# KiCad board plz actually have soldermask.kicad_pcb (continued)
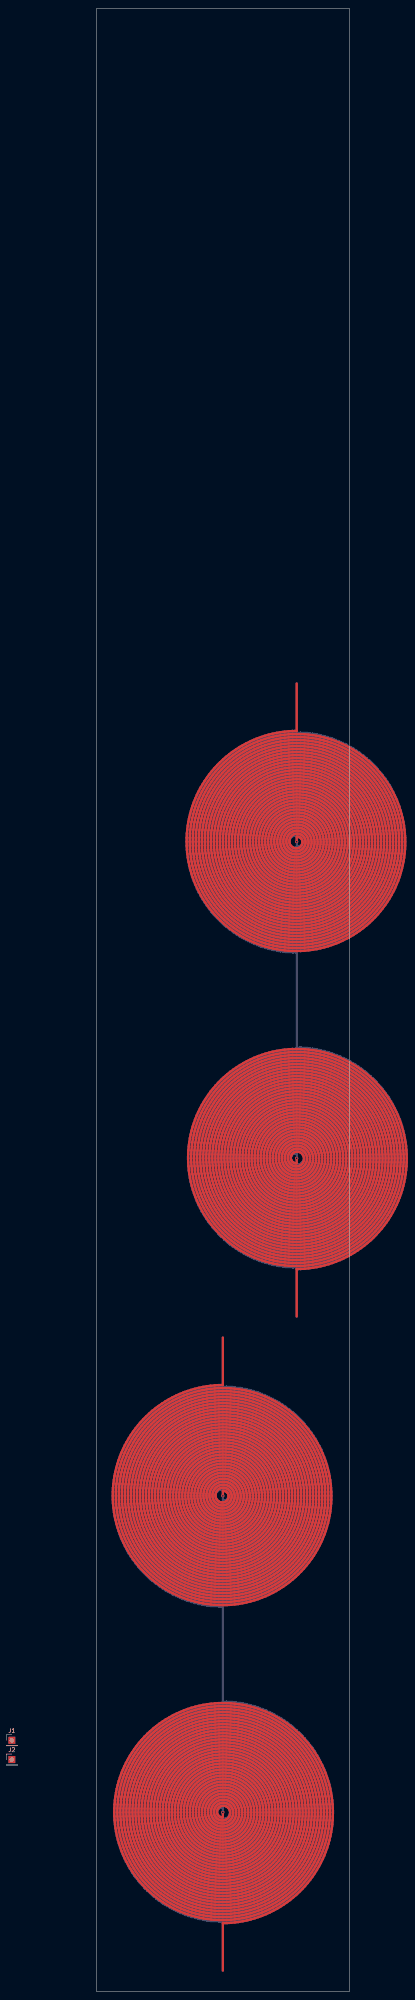
[diagram p0: board, top side]
## Routing (per net, layer and track width the routed paths; a pad name or vN(x,y) marks a point on that pad's centre or on a via; arc(x,y) is an arc through that point) (continued)
23.86,282.57 23.66,281.63 23.5,280.68 23.38,279.73 23.29,278.78 23.24,277.82 23.22,276.86 23.25,275.9 23.31,274.94 23.4,273.99 23.53,273.04 23.7,272.1 23.91,271.16 24.15,270.23 24.42,269.32 24.73,268.41 25.08,267.52 25.46,266.64 25.87,265.77 26.32,264.93 26.79,264.1 27.3,263.29 27.84,262.5 28.41,261.73 29.01,260.98 29.63,260.26 30.28,259.56 30.96,258.89 31.67,258.24 32.4,257.62 33.15,257.03 33.92,256.47 34.71,255.94 35.53,255.44 36.36,254.97 37.21,254.54 38.07,254.14 38.95,253.77 39.85,253.43 40.75,253.13 41.67,252.86 42.59,252.63 43.52,252.44 44.46,252.28 45.41,252.16 46.36,252.07 47.31,252.02 48.26,252.01 49.21,252.03 50.16,252.09 51.11,252.18 52.05,252.31 52.99,252.48 53.92,252.69 54.84,252.92 55.75,253.2 56.65,253.51 57.53,253.85 58.41,254.22 59.26,254.63 60.11,255.08 60.93,255.55 61.73,256.05 62.52,256.59 63.28,257.15 64.02,257.75 64.74,258.37 65.43,259.02 66.1,259.69 66.74,260.39 67.36,261.11 67.94,261.86 68.5,262.62 69.03,263.41 69.52,264.22 69.99,265.05 70.42,265.89 70.82,266.75 71.19,267.62 71.52,268.51 71.82,269.41 72.08,270.31 72.31,271.23 72.5,272.16 72.66,273.09 72.78,274.03 72.87,274.97 72.92,275.91 72.93,276.86 72.91,277.8 72.85,278.75 72.76,279.69 72.63,280.62 72.46,281.55 72.26,282.48 72.02,283.39 71.75,284.29 71.44,285.19 71.1,286.07 70.73,286.93 70.32,287.78 69.88,288.62 69.41,289.44 68.91,290.24 68.38,291.01 67.82,291.77 67.23,292.51 66.62,293.22 65.97,293.91 65.3,294.57 64.61,295.21 63.89,295.82 63.15,296.4 62.39,296.95 61.61,297.47 60.81,297.97 59.99,298.43 59.15,298.86 58.3,299.25 57.43,299.62 56.55,299.95 55.66,300.24 54.76,300.51 53.85,300.73 52.93,300.92 52,301.08 51.07,301.2 50.14,301.29 49.2,301.34 48.26,301.35 47.3,301.33 46.34,301.27 45.38,301.17 44.43,301.03 43.49,300.86 42.55,300.65 41.62,300.4 40.7,300.12 39.8,299.8 38.91,299.44 38.03,299.06 37.17,298.63 36.32,298.18 35.5,297.69 34.69,297.17 33.91,296.61 33.15,296.03 32.41,295.42 31.69,294.78 31.01,294.11 30.35,293.42 29.71,292.7 29.11,291.96 28.53,291.19 27.99,290.4 27.48,289.59 27,288.77 26.55,287.92 26.14,287.06 25.76,286.18 25.41,285.29 25.11,284.38 24.83,283.47 24.6,282.54 24.4,281.61 24.23,280.67 24.11,279.72 24.02,278.77 23.96,277.81 23.95,276.86 23.97,275.91 24.03,274.95 24.13,274 24.27,273.06 24.44,272.12 24.65,271.19 24.89,270.27 25.18,269.36 25.49,268.46 25.84,267.57 26.23,266.7 26.65,265.85 27.1,265.01 27.59,264.19 28.1,263.39 28.65,262.61 29.23,261.86 29.84,261.13 30.47,260.42 31.14,259.74 31.82,259.08 32.54,258.45 33.27,257.85 34.04,257.28 34.82,256.74 35.62,256.23 36.44,255.76 37.28,255.31 38.14,254.9 39.01,254.53 39.89,254.19 40.79,253.88 41.7,253.61 42.62,253.37 43.55,253.17 44.48,253.01 45.42,252.89 46.37,252.8 47.31,252.75 48.26,252.73 49.21,252.76 50.15,252.82 51.09,252.91 52.03,253.05 52.96,253.22 53.89,253.43 54.8,253.67 55.7,253.95 56.6,254.26 57.48,254.61 58.34,254.99 59.19,255.41 60.02,255.86 60.83,256.34 61.63,256.86 62.4,257.4 63.15,257.97 63.88,258.58 64.58,259.21 65.26,259.86 65.91,260.55 66.53,261.26 67.13,261.99 67.69,262.74 68.23,263.52 68.73,264.32 69.2,265.13 69.64,265.96 70.05,266.81 70.42,267.68 70.76,268.56 71.07,269.45 71.34,270.35 71.57,271.26 71.77,272.18 71.93,273.11 72.05,274.04 72.14,274.98 72.19,275.92 72.21,276.86 72.18,277.8 72.12,278.74 72.03,279.67 71.89,280.6 71.72,281.53 71.52,282.44 71.28,283.35 71,284.25 70.69,285.13 70.34,286.01 69.96,286.86 69.55,287.71 69.1,288.53 68.62,289.34 68.11,290.13 67.57,290.89 67,291.64 66.41,292.36 65.78,293.06 65.13,293.73 64.45,294.37 63.75,294.99 63.02,295.58 62.27,296.14 61.5,296.68 60.71,297.18 59.9,297.65 59.07,298.08 58.23,298.49 57.37,298.86 56.5,299.19 55.61,299.5 54.72,299.76 53.81,299.99 52.9,300.19 51.98,300.35 51.05,300.47 50.13,300.56 49.19,300.61 48.26,300.62 47.3,300.6 46.35,300.54 45.4,300.44 44.45,300.3 43.51,300.12 42.58,299.91 41.66,299.65 40.75,299.37 39.85,299.04 38.96,298.68 38.09,298.28 37.24,297.85 36.41,297.39 35.59,296.89 34.8,296.36 34.03,295.8 33.28,295.21 32.56,294.58 31.86,293.93 31.19,293.26 30.55,292.55 29.93,291.82 29.35,291.07 28.79,290.3 28.27,289.5 27.78,288.68 27.33,287.85 26.91,286.99 26.52,286.12 26.17,285.24 25.86,284.34 25.58,283.43 25.34,282.51 25.13,281.58 24.96,280.65 24.84,279.7 24.74,278.76 24.69,277.81 24.68,276.86 24.7,275.91 24.76,274.96 24.86,274.02 25,273.08 25.18,272.15 25.39,271.22 25.64,270.31 25.93,269.4 26.25,268.51 26.61,267.63 27,266.77 27.43,265.93 27.89,265.1 28.38,264.29 28.91,263.5 29.47,262.74 30.05,262 30.67,261.28 31.32,260.59 31.99,259.92 32.69,259.28 33.41,258.67 34.16,258.09 34.93,257.54 35.72,257.03 36.53,256.54 37.36,256.09 38.21,255.67 39.07,255.29 39.95,254.94 40.84,254.63 41.74,254.35 42.65,254.11 43.57,253.91 44.5,253.74 45.44,253.62 46.38,253.53 47.32,253.47 48.26,253.46 49.2,253.48 50.14,253.54 51.08,253.64 52.01,253.78 52.94,253.96 53.85,254.17 54.76,254.41 55.66,254.7 56.54,255.02 57.41,255.37 58.27,255.77 59.11,256.19 59.93,256.65 60.73,257.14 61.51,257.66 62.27,258.21 63.01,258.8 63.72,259.41 64.41,260.05 65.07,260.71 65.7,261.41 66.31,262.13 66.88,262.87 67.43,263.63 67.94,264.42 68.42,265.22 68.87,266.04 69.28,266.88 69.66,267.74 70.01,268.61 70.32,269.5 70.59,270.39 70.83,271.3 71.03,272.21 71.2,273.13 71.32,274.06 71.41,274.99 71.46,275.92 71.48,276.86 71.46,277.79 71.39,278.73 71.3,279.66 71.16,280.58 70.99,281.5 70.78,282.41 70.53,283.31 70.25,284.2 69.93,285.08 69.58,285.94 69.19,286.79 68.77,287.62 68.32,288.44 67.83,289.23 67.31,290.01 66.76,290.76 66.18,291.49 65.58,292.2 64.94,292.88 64.28,293.54 63.59,294.17 62.88,294.77 62.14,295.34 61.39,295.88 60.61,296.39 59.81,296.86 58.99,297.31 58.16,297.72 57.31,298.1 56.44,298.44 55.57,298.75 54.68,299.02 53.78,299.25 52.87,299.45 51.96,299.62 51.04,299.74 50.11,299.83 49.19,299.88 48.26,299.9 47.31,299.87 46.36,299.81 45.41,299.71 44.47,299.56 43.54,299.38 42.61,299.16 41.7,298.91 40.79,298.61 39.9,298.28 39.03,297.91 38.17,297.51 37.32,297.07 36.5,296.6 35.7,296.09 34.92,295.55 34.16,294.98 33.42,294.38 32.72,293.75 32.03,293.09 31.38,292.4 30.76,291.68 30.16,290.94 29.6,290.18 29.07,289.4 28.57,288.59 28.11,287.77 27.68,286.92 27.29,286.06 26.93,285.18 26.61,284.29 26.32,283.39 26.08,282.48 25.87,281.56 25.7,280.62 25.57,279.69 25.47,278.75 25.42,277.8 25.4,276.86 25.43,275.92 25.49,274.97 25.59,274.03 25.74,273.1 25.91,272.17 26.13,271.26 26.39,270.35 26.68,269.45 27.01,268.57 27.37,267.7 27.77,266.85 28.21,266.01 28.68,265.19 29.18,264.4 29.72,263.62 30.28,262.87 30.88,262.14 31.51,261.44 32.16,260.76 32.85,260.12 33.55,259.5 34.29,258.91 35.04,258.35 35.82,257.82 36.62,257.33 37.44,256.87 38.28,256.44 39.13,256.05 40,255.7 40.89,255.38 41.78,255.1 42.69,254.85 43.6,254.65 44.52,254.48 45.45,254.35 46.39,254.25 47.32,254.2 48.26,254.19 49.2,254.21 50.13,254.27 51.06,254.37 51.99,254.51 52.91,254.69 53.82,254.91 54.72,255.16 55.61,255.45 56.49,255.78 57.35,256.14 58.2,256.54 59.02,256.97 59.83,257.44 60.62,257.93 61.39,258.47 62.14,259.03 62.86,259.62 63.56,260.24 64.23,260.89 64.87,261.57 65.49,262.27 66.07,263 66.62,263.75 67.15,264.52 67.64,265.31 68.09,266.13 68.51,266.96 68.9,267.81 69.25,268.67 69.57,269.54 69.85,270.43 70.09,271.33 70.3,272.24 70.46,273.15 70.59,274.08 70.68,275 70.74,275.93 70.75,276.86 70.73,277.79 70.67,278.72 70.56,279.64 70.43,280.56 70.25,281.47 70.04,282.37 69.78,283.27 69.5,284.15 69.17,285.02 68.81,285.88 68.42,286.72 67.99,287.54 67.53,288.34 67.03,289.13 66.51,289.89 65.95,290.63 65.36,291.34 64.74,292.03 64.1,292.7 63.43,293.34 62.73,293.95 62.01,294.53 61.27,295.08 60.5,295.59 59.71,296.08 58.91,296.53 58.08,296.95 57.24,297.33 56.39,297.68 55.52,298 54.64,298.27 53.74,298.52 52.84,298.72 51.94,298.88 51.02,299.01 50.1,299.1 49.18,299.16 48.26,299.17 47.31,299.14 46.37,299.08 45.43,298.97 44.49,298.83 43.56,298.65 42.65,298.42 41.74,298.16 40.84,297.86 39.96,297.52 39.09,297.14 38.24,296.73 37.41,296.29 36.6,295.8 35.81,295.29 35.04,294.74 34.29,294.16 33.58,293.54 32.88,292.9 32.22,292.23 31.59,291.53 30.98,290.81 30.41,290.06 29.87,289.29 29.36,288.5 28.89,287.68 28.45,286.85 28.05,285.99 27.69,285.13 27.36,284.24 27.07,283.35 26.82,282.44 26.6,281.53 26.43,280.6 26.3,279.67 26.2,278.74 26.15,277.8 26.13,276.86 26.16,275.92 26.22,274.98 26.33,274.05 26.47,273.12 26.65,272.2 26.87,271.29 27.13,270.39 27.43,269.5 27.77,268.63 28.14,267.77 28.55,266.92 28.99,266.1 29.47,265.29 29.98,264.51 30.53,263.75 31.1,263.01 31.71,262.3 32.35,261.61 33.01,260.95 33.71,260.32 34.42,259.72 35.17,259.16 35.93,258.62 36.72,258.12 37.53,257.65 38.36,257.22 39.2,256.82 40.06,256.46 40.94,256.13 41.82,255.84 42.72,255.59 43.63,255.38 44.55,255.21 45.47,255.08 46.4,254.98 47.33,254.93 48.26,254.91 49.19,254.94 50.12,255 51.05,255.11 51.97,255.25 52.88,255.43 53.78,255.65 54.68,255.91 55.56,256.2 56.43,256.54 57.28,256.91 58.12,257.31 58.93,257.75 59.73,258.23 60.51,258.73 61.27,259.27 62,259.85 62.7,260.45 63.38,261.08 64.04,261.74 64.66,262.43 65.25,263.14 65.82,263.87 66.35,264.63 66.85,265.42 67.31,266.22 67.74,267.04 68.14,267.87 68.5,268.73 68.82,269.6 69.1,270.48 69.35,271.37 69.56,272.27 69.73,273.18 69.86,274.09 69.96,275.01 70.01,275.94 70.02,276.86 70,277.78 69.94,278.7 69.83,279.62 69.69,280.53 69.51,281.44 69.29,282.34 69.04,283.22 68.74,284.1 68.41,284.96 68.05,285.8 67.65,286.63 67.21,287.45 66.74,288.24 66.24,289.01 65.7,289.76 65.13,290.48 64.54,291.18 63.91,291.86 63.26,292.51 62.57,293.12 61.87,293.71 61.14,294.27 60.38,294.8 59.61,295.29 58.81,295.75 58,296.18 57.17,296.57 56.32,296.93 55.46,297.25 54.59,297.53 53.71,297.78 52.81,297.98 51.91,298.15 51,298.28 50.09,298.38 49.18,298.43 48.26,298.44 47.32,298.42 46.38,298.35 45.44,298.24 44.52,298.1 43.59,297.91 42.68,297.68 41.78,297.41 40.89,297.1 40.02,296.76 39.16,296.38 38.32,295.96 37.5,295.5 36.7,295.01 35.92,294.48 35.17,293.92 34.44,293.33 33.74,292.71 33.06,292.06 32.42,291.38 31.8,290.67 31.22,289.93 30.67,289.18 30.16,288.39 29.67,287.59 29.23,286.77 28.82,285.93 28.45,285.07 28.11,284.19 27.82,283.31 27.56,282.41 27.34,281.5 27.16,280.58 27.03,279.66 26.93,278.73 26.87,277.79 26.86,276.86 26.88,275.93 26.95,275 27.06,274.07 27.2,273.15 27.39,272.23 27.62,271.33 27.88,270.44 28.19,269.55 28.53,268.69 28.91,267.84 29.33,267 29.78,266.19 30.27,265.4 30.79,264.63 31.34,263.88 31.93,263.16 32.54,262.46 33.19,261.79 33.87,261.15 34.57,260.54 35.3,259.97 36.05,259.42 36.82,258.91 37.62,258.43 38.44,257.99 39.27,257.58 40.12,257.21 40.99,256.88 41.87,256.59 42.76,256.33 43.66,256.12 44.57,255.94 45.49,255.81 46.41,255.71 47.33,255.66 48.26,255.64 49.19,255.67 50.11,255.73 51.03,255.84 51.94,255.98 52.85,256.17 53.74,256.39 54.63,256.66 55.5,256.96 56.36,257.3 57.21,257.67 58.03,258.09 58.84,258.54 59.63,259.02 60.39,259.54 61.13,260.09 61.85,260.67 62.54,261.28 63.2,261.92 63.83,262.59 64.44,263.29 65.01,264.01 65.55,264.75 66.06,265.52 66.53,266.31 66.97,267.12 67.37,267.95 67.74,268.79 68.07,269.65 68.36,270.52 68.61,271.41 68.82,272.3 69,273.2 69.13,274.11 69.23,275.03 69.28,275.94 69.3,276.86 69.27,277.78 69.21,278.69 69.1,279.6 68.96,280.51 68.77,281.41 68.55,282.3 68.29,283.18 67.99,284.04 67.65,284.89 67.28,285.73 66.87,286.55 66.43,287.35 65.95,288.13 65.44,288.89 64.89,289.62 64.31,290.33 63.71,291.01 63.07,291.67 62.41,292.3 61.72,292.9 61,293.47 60.26,294 59.5,294.51 58.72,294.97 57.92,295.41 57.1,295.81 56.26,296.17 55.41,296.5 54.54,296.78 53.67,297.03 52.78,297.25 51.89,297.42 50.98,297.55 50.08,297.65 49.17,297.7 48.26,297.72 47.32,297.69 46.39,297.62 45.46,297.51 44.54,297.36 43.62,297.17 42.72,296.93 41.83,296.66 40.95,296.35 40.08,295.99 39.23,295.6 38.4,295.18 37.59,294.71 36.81,294.21 36.04,293.67 35.31,293.1 34.59,292.5 33.91,291.87 33.25,291.21 32.63,290.52 32.04,289.8 31.48,289.05 30.95,288.29 30.46,287.5 30,286.68 29.59,285.85 29.21,285 28.87,284.14 28.56,283.26 28.3,282.37 28.08,281.47 27.9,280.56 27.76,279.64 27.66,278.71 27.6,277.79 27.59,276.86 27.61,275.93 27.68,275.01 27.79,274.09 27.94,273.17 28.13,272.27 28.36,271.37 28.63,270.48 28.94,269.61 29.29,268.75 29.68,267.91 30.1,267.09 30.57,266.29 31.06,265.51 31.59,264.75 32.16,264.02 32.75,263.31 33.38,262.63 34.04,261.98 34.72,261.37 35.43,260.78 36.17,260.22 36.93,259.7 37.72,259.21 38.52,258.76 39.35,258.35 40.19,257.97 41.04,257.64 41.92,257.34 42.8,257.08 43.69,256.86 44.6,256.68 45.51,256.54 46.42,256.44 47.34,256.38 48.26,256.37 49.18,256.39 50.1,256.46 51.01,256.57 51.92,256.72 52.81,256.91 53.7,257.14 54.58,257.41 55.45,257.71 56.3,258.06 57.13,258.44 57.94,258.86 58.74,259.32 59.51,259.81 60.26,260.34 60.99,260.9 61.69,261.49 62.36,262.11 63,262.76 63.62,263.44 64.2,264.15 64.75,264.88 65.27,265.63 65.75,266.41 66.2,267.21 66.61,268.02 66.98,268.86 67.31,269.71 67.61,270.57 67.87,271.45 68.09,272.33 68.26,273.23 68.4,274.13 68.5,275.04 68.56,275.95 68.57,276.86 68.55,277.77 68.48,278.68 68.37,279.58 68.22,280.48 68.04,281.37 67.81,282.26 67.54,283.13 67.24,283.98 66.89,284.82 66.51,285.65 66.1,286.46 65.64,287.25 65.15,288.01 64.63,288.76 64.08,289.47 63.49,290.17 62.88,290.83 62.23,291.47 61.56,292.08 60.86,292.66 60.13,293.2 59.39,293.72 58.62,294.19 57.83,294.64 57.02,295.04 56.19,295.41 55.35,295.74 54.49,296.04 53.62,296.29 52.74,296.51 51.86,296.69 50.96,296.82 50.07,296.92 49.16,296.97 48.26,296.99 47.33,296.96 46.4,296.89 45.48,296.78 44.57,296.63 43.66,296.43 42.76,296.19 41.88,295.91 41,295.59 40.15,295.23 39.31,294.83 38.49,294.39 37.7,293.92 36.92,293.41 36.17,292.86 35.45,292.28 34.76,291.67 34.09,291.03 33.46,290.36 32.85,289.65 32.28,288.93 31.75,288.17 31.25,287.39 30.78,286.6 30.36,285.78 29.97,284.94 29.62,284.08 29.31,283.21 29.04,282.33 28.82,281.43 28.63,280.53 28.49,279.62 28.39,278.7 28.33,277.78 28.31,276.86 28.34,275.94 28.41,275.02 28.52,274.11 28.67,273.2 28.87,272.3 29.11,271.41 29.38,270.53 29.7,269.67 30.06,268.82 30.45,267.99 30.89,267.18 31.36,266.39 31.86,265.63 32.4,264.88 32.98,264.17 33.58,263.48 34.22,262.82 34.89,262.19 35.58,261.59 36.3,261.03 37.05,260.5 37.82,260 38.61,259.54 39.43,259.12 40.26,258.73 41.1,258.39 41.97,258.08 42.84,257.82 43.73,257.59 44.62,257.41 45.53,257.27 46.44,257.17 47.35,257.11 48.26,257.09 49.17,257.12 50.08,257.19 50.99,257.3 51.89,257.45 52.78,257.65 53.66,257.88 54.53,258.15 55.38,258.47 56.22,258.82 57.05,259.21 57.85,259.64 58.63,260.11 59.39,260.61 60.13,261.15 60.84,261.72 61.52,262.32 62.17,262.95 62.8,263.61 63.39,264.3 63.95,265.01 64.47,265.75 64.96,266.52 65.42,267.3 65.84,268.11 66.22,268.93 66.56,269.77 66.86,270.62 67.13,271.49 67.35,272.37 67.53,273.26 67.67,274.15 67.77,275.05 67.83,275.96 67.84,276.86 67.82,277.76 67.75,278.67 67.64,279.56 67.49,280.45 67.3,281.34 67.07,282.21 66.79,283.07 66.48,283.92 66.13,284.75 65.74,285.57 65.32,286.36 64.86,287.14 64.36,287.89 63.83,288.62 63.26,289.32 62.67,290 62.04,290.64 61.39,291.26 60.71,291.85 60,292.4 59.26,292.92 58.51,293.41 57.73,293.86 56.93,294.28 56.12,294.65 55.28,294.99 54.44,295.29 53.58,295.55 52.71,295.77 51.83,295.95 50.94,296.09 50.05,296.19 49.16,296.25 48.26,296.26 47.34,296.23 46.42,296.16 45.5,296.05 44.59,295.89 43.69,295.69 42.8,295.44 41.93,295.16 41.07,294.83 40.22,294.46 39.39,294.06 38.59,293.61 37.81,293.13 37.05,292.61 36.31,292.05 35.61,291.46 34.93,290.84 34.29,290.18 33.67,289.5 33.09,288.79 32.55,288.05 32.04,287.29 31.56,286.5 31.13,285.69 30.73,284.86 30.38,284.02 30.06,283.16 29.79,282.28 29.55,281.4 29.37,280.5 29.22,279.6 29.12,278.69 29.06,277.77 29.04,276.86 29.07,275.95 29.14,275.03 29.25,274.13 29.41,273.23 29.61,272.34 29.85,271.45 30.13,270.59 30.46,269.73 30.82,268.9 31.23,268.08 31.67,267.28 32.15,266.5 32.66,265.75 33.21,265.03 33.8,264.33 34.41,263.66 35.06,263.02 35.74,262.41 36.44,261.83 37.18,261.29 37.93,260.79 38.71,260.32 39.51,259.89 40.33,259.5 41.17,259.14 42.02,258.83 42.89,258.56 43.77,258.33 44.65,258.14 45.55,258 46.45,257.9 47.35,257.84 48.26,257.82 49.17,257.85 50.07,257.92 50.97,258.03 51.86,258.19 52.74,258.38 53.61,258.62 54.47,258.91 55.32,259.23 56.15,259.59 56.96,259.99 57.75,260.42 58.52,260.9 59.26,261.41 59.98,261.96 60.67,262.53 61.34,263.14 61.97,263.79 62.57,264.46 63.14,265.16 63.68,265.88 64.18,266.63 64.64,267.4 65.07,268.19 65.46,269.01 65.81,269.84 66.12,270.68 66.38,271.54 66.61,272.41 66.8,273.29 66.94,274.17 67.04,275.07 67.1,275.96 67.12,276.86 67.09,277.76 67.02,278.65 66.91,279.54 66.75,280.42 66.56,281.3 66.32,282.16 66.04,283.01 65.73,283.85 65.37,284.67 64.97,285.48 64.54,286.26 64.07,287.02 63.56,287.76 63.02,288.47 62.45,289.15 61.84,289.81 61.21,290.44 60.54,291.04 59.85,291.6 59.13,292.13 58.39,292.63 57.63,293.09 56.84,293.51 56.04,293.89 55.22,294.24 54.38,294.54 53.53,294.81 52.67,295.04 51.8,295.22 50.92,295.36 50.04,295.46 49.15,295.52 48.26,295.53 47.34,295.51 46.43,295.43 45.52,295.32 44.62,295.15 43.73,294.95 42.85,294.7 41.98,294.41 41.13,294.07 40.3,293.7 39.48,293.28 38.69,292.82 37.92,292.33 37.18,291.8 36.46,291.23 35.78,290.63 35.12,290 34.49,289.34 33.9,288.64 33.35,287.92 32.83,287.17 32.34,286.4 31.9,285.6 31.5,284.79 31.13,283.95 30.81,283.1 30.53,282.24 30.29,281.36 30.1,280.47 29.95,279.58 29.84,278.67 29.78,277.77 29.77,276.86 29.79,275.95 29.87,275.05 29.98,274.15 30.14,273.26 30.35,272.37 30.6,271.5 30.89,270.64 31.22,269.8 31.59,268.97 32,268.17 32.45,267.38 32.94,266.62 33.47,265.89 34.03,265.18 34.62,264.5 35.25,263.85 35.91,263.23 36.59,262.64 37.31,262.09 38.05,261.58 38.81,261.1 39.6,260.66 40.41,260.26 41.24,259.9 42.08,259.58 42.93,259.3 43.8,259.07 44.68,258.88 45.57,258.73 46.46,258.63 47.36,258.56 48.26,258.55 49.16,258.58 50.05,258.65 50.94,258.76 51.83,258.92 52.7,259.12 53.57,259.37 54.42,259.66 55.25,259.98 56.07,260.35 56.87,260.76 57.64,261.21 58.4,261.69 59.12,262.21 59.83,262.77 60.5,263.36 61.14,263.98 61.76,264.63 62.34,265.31 62.88,266.02 63.39,266.75 63.86,267.51 64.3,268.29 64.7,269.09 65.05,269.9 65.37,270.74 65.64,271.59 65.87,272.45 66.06,273.32 66.21,274.2 66.31,275.08 66.37,275.97 66.39,276.86 66.36,277.75 66.29,278.64 66.18,279.52 66.02,280.39 65.82,281.26 65.58,282.11 65.29,282.95 64.97,283.78 64.6,284.59 64.2,285.38 63.76,286.15 63.28,286.89 62.76,287.62 62.21,288.31 61.63,288.98 61.02,289.62 60.37,290.22 59.7,290.8 59,291.34 58.27,291.84 57.52,292.31 56.75,292.74 55.96,293.13 55.15,293.48 54.32,293.8 53.48,294.07 52.63,294.3 51.77,294.49 50.9,294.63 50.02,294.73 49.14,294.79 48.26,294.81 47.35,294.78 46.45,294.7 45.54,294.58 44.65,294.42 43.77,294.21 42.9,293.95 42.04,293.65 41.2,293.31 40.38,292.93 39.58,292.5 38.8,292.04 38.05,291.53 37.32,290.99 36.62,290.42 35.96,289.8 35.32,289.16 34.72,288.49 34.15,287.78 33.62,287.05 33.13,286.29 32.67,285.51 32.26,284.71 31.89,283.88 31.56,283.04 31.27,282.19 31.03,281.32 30.83,280.44 30.68,279.55 30.57,278.66 30.51,277.76 30.49,276.86 30.52,275.96 30.6,275.06 30.72,274.17 30.88,273.29 31.09,272.41 31.34,271.55 31.64,270.7 31.98,269.87 32.36,269.06 32.78,268.27 33.24,267.5 33.74,266.75 34.27,266.03 34.84,265.34 35.45,264.68 36.08,264.05 36.75,263.46 37.45,262.89 38.17,262.37 38.92,261.88 39.7,261.43 40.49,261.03 41.31,260.66 42.14,260.33 42.99,260.05 43.85,259.81 44.72,259.61 45.59,259.46 46.48,259.35 47.37,259.29 48.26,259.28 49.15,259.3 50.04,259.38 50.92,259.5 51.8,259.66 52.66,259.87 53.51,260.12 54.35,260.41 55.18,260.74 55.98,261.12 56.77,261.54 57.53,261.99 58.27,262.49 58.98,263.01 59.66,263.58 60.31,264.18 60.94,264.81 61.53,265.47 62.08,266.16 62.6,266.88 63.08,267.62 63.53,268.39 63.93,269.17 64.3,269.98 64.62,270.8 64.9,271.64 65.14,272.49 65.33,273.35 65.48,274.22 65.59,275.1 65.65,275.98 65.66,276.86 65.63,277.74 65.56,278.62 65.44,279.49 65.28,280.36 65.08,281.21 64.83,282.06 64.54,282.89 64.21,283.7 63.84,284.5 63.42,285.28 62.97,286.03 62.49,286.76 61.96,287.47 61.4,288.14 60.81,288.79 60.19,289.41 59.53,289.99 58.85,290.54 58.14,291.05 57.4,291.53 56.65,291.97 55.87,292.37 55.07,292.73 54.26,293.05 53.43,293.32 52.58,293.56 51.73,293.75 50.87,293.9 50,294 49.13,294.06 48.26,294.08 47.36,294.05 46.46,293.97 45.57,293.85 44.68,293.68 43.81,293.46 42.95,293.2 42.1,292.9 41.28,292.55 40.47,292.16 39.68,291.72 38.92,291.25 38.18,290.73 37.47,290.18 36.79,289.59 36.15,288.97 35.53,288.32 34.96,287.63 34.42,286.92 33.91,286.18 33.45,285.41 33.03,284.62 32.65,283.81 32.31,282.98 32.02,282.14 31.77,281.28 31.57,280.41 31.41,279.53 31.3,278.64 31.24,277.75 31.22,276.86 31.25,275.97 31.33,275.08 31.45,274.2 31.62,273.32 31.83,272.46 32.09,271.61 32.39,270.77 32.74,269.95 33.13,269.15 33.56,268.37 34.03,267.62 34.53,266.89 35.08,266.19 35.66,265.52 36.28,264.88 36.92,264.27 37.6,263.7 38.31,263.16 39.04,262.67 39.8,262.21 40.58,261.79 41.38,261.42 42.2,261.08 43.04,260.79 43.89,260.55 44.75,260.35 45.62,260.19 46.5,260.08 47.38,260.02 48.26,260 49.14,260.03 50.02,260.11 50.89,260.23 51.76,260.39 52.62,260.61 53.46,260.86 54.29,261.16 55.1,261.5 55.89,261.89 56.66,262.31 57.4,262.78 58.13,263.28 58.82,263.82 59.48,264.4 60.12,265 60.72,265.64 61.28,266.32 61.81,267.02 62.3,267.74 62.75,268.49 63.17,269.26 63.54,270.06 63.87,270.87 64.15,271.7 64.4,272.54 64.6,273.39 64.75,274.25 64.86,275.12 64.92,275.99 64.94,276.86 64.91,277.73 64.83,278.6 64.71,279.47 64.55,280.32 64.34,281.17 64.09,282 63.79,282.82 63.45,283.62 63.07,284.41 62.65,285.17 62.19,285.91 61.69,286.62 61.16,287.3 60.59,287.96 59.99,288.59 59.35,289.18 58.69,289.74 58,290.26 57.28,290.75 56.54,291.2 55.77,291.6 54.99,291.97 54.19,292.3 53.37,292.58 52.54,292.82 51.69,293.02 50.84,293.17 49.99,293.28 49.12,293.34 48.26,293.35 47.37,293.32 46.48,293.24 45.59,293.12 44.72,292.94 43.86,292.72 43.01,292.45 42.17,292.14 41.36,291.78 40.56,291.38 39.79,290.94 39.04,290.45 38.32,289.93 37.63,289.37 36.98,288.77 36.35,288.14 35.77,287.47 35.21,286.78 34.7,286.05 34.23,285.3 33.8,284.53 33.41,283.73 33.07,282.91 32.77,282.08 32.51,281.23 32.3,280.37 32.14,279.5 32.03,278.63 31.97,277.74 31.95,276.86 31.98,275.98 32.06,275.1 32.18,274.22 32.35,273.36 32.57,272.5 32.84,271.66 33.15,270.84 33.5,270.03 33.9,269.25 34.34,268.48 34.82,267.74 35.33,267.03 35.89,266.35 36.48,265.7 37.11,265.09 37.76,264.5 38.45,263.96 39.17,263.45 39.91,262.98 40.68,262.56 41.47,262.17 42.27,261.83 43.1,261.54 43.94,261.29 44.79,261.08 45.65,260.92 46.51,260.81 47.39,260.75 48.26,260.73 49.13,260.76 50,260.84 50.87,260.96 51.72,261.13 52.57,261.35 53.4,261.61 54.21,261.92 55.01,262.27 55.79,262.66 56.54,263.09 57.27,263.57 57.98,264.08 58.65,264.63 59.29,265.21 59.9,265.83 60.48,266.48 61.02,267.16 61.52,267.87 61.98,268.61 62.4,269.36 62.78,270.14 63.12,270.94 63.41,271.76 63.66,272.58 63.86,273.43 64.02,274.28 64.13,275.13 64.19,276 64.21,276.86 64.18,277.72 64.1,278.58 63.98,279.44 63.81,280.28 63.6,281.12 63.34,281.94 63.04,282.75 62.69,283.54 62.3,284.3 61.87,285.05 61.4,285.77 60.9,286.47 60.35,287.13 59.78,287.77 59.16,288.37 58.52,288.94 57.85,289.47 57.15,289.97 56.42,290.42 55.67,290.84 54.9,291.22 54.11,291.55 53.31,291.84 52.49,292.08 51.65,292.28 50.81,292.44 49.97,292.55 49.11,292.61 48.26,292.63 47.38,292.6 46.5,292.51 45.62,292.39 44.76,292.21 43.9,291.98 43.07,291.71 42.24,291.38 41.44,291.02 40.66,290.61 39.91,290.16 39.18,289.66 38.48,289.13 37.81,288.55 37.18,287.94 36.58,287.3 36.01,286.63 35.49,285.92 35.01,285.19 34.57,284.43 34.17,283.64 33.82,282.84 33.51,282.02 33.25,281.18 33.04,280.33 32.88,279.47 32.76,278.61 32.69,277.73 32.67,276.86 32.71,275.99 32.79,275.12 32.91,274.25 33.09,273.4 33.32,272.55 33.59,271.73 33.9,270.91 34.26,270.12 34.67,269.35 35.12,268.6 35.61,267.88 36.14,267.19 36.7,266.53 37.3,265.9 37.94,265.31 38.61,264.76 39.31,264.24 40.03,263.76 40.78,263.33 41.55,262.94 42.35,262.59 43.16,262.28 43.99,262.03 44.83,261.82 45.68,261.65 46.53,261.54 47.4,261.47 48.26,261.46 49.12,261.49 49.98,261.57 50.84,261.69 51.68,261.87 52.52,262.09 53.33,262.36 54.14,262.67 54.92,263.03 55.68,263.43 56.42,263.87 57.13,264.36 57.82,264.88 58.47,265.44 59.09,266.03 59.67,266.66 60.22,267.32 60.73,268.01 61.2,268.73 61.63,269.47 62.02,270.23 62.37,271.02 62.66,271.82 62.92,272.64 63.13,273.47 63.29,274.31 63.4,275.15 63.46,276.01 63.48,276.86 63.45,277.71 63.37,278.56 63.25,279.41 63.07,280.24 62.86,281.06 62.59,281.87 62.28,282.67 61.93,283.44 61.53,284.19 61.09,284.92 60.62,285.63 60.1,286.3 59.55,286.95 58.96,287.56 58.34,288.14 57.69,288.68 57,289.18 56.3,289.65 55.56,290.07 54.81,290.46 54.03,290.8 53.24,291.09 52.43,291.34 51.61,291.55 50.78,291.71 49.95,291.82 49.1,291.88 48.26,291.9 47.39,291.87 46.52,291.78 45.65,291.65 44.8,291.47 43.96,291.24 43.13,290.96 42.32,290.63 41.53,290.25 40.77,289.83 40.03,289.37 39.32,288.86 38.64,288.32 38,287.74 37.39,287.12 36.82,286.46 36.28,285.78 35.79,285.06 35.34,284.32 34.93,283.55 34.57,282.76 34.26,281.96 33.99,281.13 33.78,280.29 33.61,279.44 33.49,278.59 33.42,277.72 33.4,276.86 33.43,276 33.52,275.14 33.65,274.28 33.83,273.44 34.06,272.61 34.34,271.79 34.66,270.99 35.03,270.22 35.44,269.46 35.9,268.73 36.4,268.03 36.94,267.36 37.52,266.72 38.13,266.12 38.77,265.56 39.45,265.03 40.16,264.54 40.89,264.1 41.65,263.7 42.43,263.34 43.23,263.03 44.04,262.77 44.87,262.55 45.71,262.39 46.55,262.27 47.41,262.2 48.26,262.18 49.11,262.22 49.96,262.3 50.81,262.43 51.64,262.61 52.46,262.83 53.27,263.11 54.05,263.43 54.82,263.79 55.57,264.2 56.29,264.65 56.98,265.15 57.64,265.68 58.27,266.25 58.87,266.85 59.43,267.49 59.95,268.16 60.43,268.86 60.87,269.58 61.26,270.33 61.61,271.1 61.92,271.89 62.18,272.69 62.39,273.51 62.55,274.34 62.67,275.18 62.74,276.02 62.75,276.86 62.72,277.7 62.64,278.54 62.51,279.37 62.34,280.2 62.11,281.01 61.84,281.8 61.53,282.58 61.16,283.34 60.76,284.08 60.31,284.79 59.83,285.47 59.3,286.13 58.74,286.75 58.14,287.33 57.51,287.89 56.85,288.4 56.16,288.87 55.45,289.31 54.71,289.7 53.95,290.05 53.17,290.35 52.37,290.6 51.57,290.81 50.75,290.98 49.92,291.09 49.09,291.16 48.26,291.17 47.4,291.14 46.54,291.05 45.68,290.92 44.84,290.73 44.01,290.49 43.2,290.2 42.41,289.87 41.63,289.48 40.89,289.05 40.17,288.58 39.48,288.07 38.82,287.51 38.2,286.92 37.62,286.29 37.08,285.62 36.57,284.93 36.11,284.2 35.7,283.45 35.33,282.68 35.01,281.89 34.74,281.07 34.51,280.25 34.34,279.41 34.22,278.57 34.15,277.71 34.13,276.86 34.16,276.01 34.25,275.16 34.38,274.32 34.57,273.48 34.8,272.67 35.09,271.86 35.42,271.08 35.8,270.32 36.22,269.58 36.69,268.87 37.2,268.19 37.75,267.54 38.33,266.93 38.95,266.36 39.61,265.82 40.3,265.32 41.01,264.87 41.75,264.46 42.51,264.09 43.3,263.78 44.1,263.51 44.91,263.29 45.74,263.12 46.58,263 47.42,262.93 48.26,262.91 49.1,262.94 49.94,263.03 50.77,263.16 51.59,263.34 52.4,263.58 53.19,263.86 53.96,264.18 54.72,264.56 55.44,264.98 56.14,265.44 56.82,265.94 57.45,266.48 58.06,267.06 58.63,267.67 59.16,268.32 59.65,269 60.1,269.7 60.5,270.44 60.86,271.19 61.17,271.96 61.44,272.75 61.65,273.56 61.82,274.37 61.94,275.2 62.01,276.03 62.03,276.86 62,277.69 61.91,278.52 61.78,279.34 61.6,280.15 61.37,280.95 61.09,281.73 60.77,282.49 60.4,283.23 59.99,283.95 59.53,284.64 59.04,285.3 58.5,285.93 57.93,286.53 57.32,287.09 56.69,287.62 56.02,288.1 55.32,288.54 54.6,288.94 53.86,289.29 53.09,289.6 52.31,289.86 51.52,290.08 50.71,290.24 49.9,290.36 49.08,290.43 48.26,290.45 47.41,290.41 46.56,290.32 45.72,290.18 44.89,289.99 44.07,289.75 43.27,289.45 42.5,289.11 41.74,288.71 41.02,288.28 40.32,287.79 39.65,287.27 39.02,286.7 38.43,286.1 37.87,285.46 37.36,284.78 36.89,284.08 36.46,283.35 36.09,282.59 35.76,281.81 35.48,281.01 35.25,280.2 35.07,279.38 34.95,278.54 34.87,277.7 34.86,276.86 34.89,276.02 34.98,275.18 35.11,274.35 35.31,273.53 35.55,272.73 35.84,271.94 36.18,271.17 36.56,270.43 37,269.71 37.47,269.02 37.99,268.37 38.55,267.74 39.15,267.16 39.78,266.61 40.45,266.1 41.14,265.64 41.86,265.22 42.61,264.85 43.38,264.53 44.16,264.25 44.96,264.02 45.78,263.85 46.6,263.73 47.43,263.66 48.26,263.64 49.09,263.67 49.92,263.76 50.73,263.89 51.54,264.08 52.33,264.32 53.11,264.61 53.87,264.94 54.6,265.32 55.31,265.75 55.99,266.22 56.64,266.73 57.25,267.28 57.83,267.87 58.37,268.5 58.87,269.15 59.33,269.84 59.74,270.55 60.11,271.29 60.43,272.04 60.7,272.82 60.92,273.61 61.09,274.41 61.21,275.22 61.28,276.04 61.3,276.86 61.27,277.68 61.18,278.49 61.05,279.3 60.86,280.1 60.63,280.88 60.34,281.64 60.01,282.39 59.64,283.11 59.22,283.81 58.75,284.48 58.25,285.12 57.7,285.73 57.12,286.3 56.51,286.83 55.86,287.32 55.19,287.77 54.48,288.18 53.76,288.54 53.01,288.86 52.24,289.12 51.47,289.34 50.67,289.51 49.87,289.63 49.07,289.7 48.26,289.72 47.42,289.68 46.58,289.59 45.76,289.45 44.94,289.25 44.14,289 43.36,288.7 42.6,288.35 41.86,287.94 41.15,287.5 40.48,287 39.84,286.47 39.23,285.89 38.67,285.27 38.14,284.62 37.66,283.94 37.23,283.23 36.84,282.49 36.51,281.73 36.22,280.95 35.99,280.15 35.8,279.34 35.68,278.52 35.6,277.69 35.58,276.86 35.62,276.03 35.71,275.21 35.85,274.39 36.04,273.59 36.29,272.8 36.59,272.03 36.94,271.28 37.33,270.55 37.78,269.85 38.26,269.19 38.79,268.56 39.36,267.96 39.97,267.4 40.61,266.89 41.28,266.41 41.98,265.99 42.71,265.61 43.46,265.27 44.23,264.99 45.02,264.76 45.82,264.58 46.63,264.46 47.44,264.38 48.26,264.36 49.08,264.4 49.89,264.49 50.69,264.63 51.49,264.82 52.26,265.06 53.02,265.36 53.76,265.7 54.48,266.09 55.16,266.53 55.82,267.01 56.44,267.53 57.03,268.09 57.58,268.69 58.09,269.32 58.56,269.98 58.98,270.67 59.35,271.39 59.68,272.13 59.96,272.89 60.18,273.67 60.36,274.45 60.48,275.25 60.55,276.05 60.57,276.86 60.54,277.66 60.45,278.47 60.31,279.26 60.12,280.04 59.88,280.81 59.59,281.55 59.26,282.28 58.87,282.99 58.44,283.66 57.97,284.31 57.46,284.92 56.9,285.5 56.31,286.04 55.69,286.55 55.04,287 54.36,287.42 53.65,287.79 52.92,288.11 52.17,288.38 51.41,288.61 50.63,288.78 49.85,288.9 49.05,288.97 48.26,288.99 47.43,288.96 46.61,288.86 45.8,288.72 45,288.51 44.21,288.25 43.45,287.94 42.7,287.58 41.99,287.17 41.3,286.71 40.65,286.21 40.04,285.66 39.46,285.08 38.93,284.45 38.44,283.79 38,283.1 37.6,282.38 37.26,281.64 36.96,280.88 36.72,280.09 36.54,279.3 36.41,278.49 36.33,277.68 36.31,276.86 36.35,276.05 36.44,275.23 36.58,274.43 36.78,273.64 37.04,272.87 37.34,272.12 37.7,271.39 38.1,270.68 38.56,270.01 39.05,269.37 39.59,268.76 40.17,268.2 40.78,267.67 41.43,267.19 42.11,266.75 42.82,266.36 43.55,266.02 44.31,265.73 45.08,265.5 45.86,265.31 46.66,265.19 47.46,265.11 48.26,265.09 49.06,265.13 49.86,265.22 50.65,265.36 51.43,265.56 52.19,265.81 52.93,266.11 53.65,266.46 54.34,266.86 55.01,267.3 55.64,267.79 56.23,268.32 56.79,268.89 57.31,269.5 57.78,270.14 58.21,270.81 58.6,271.5 58.93,272.22 59.21,272.97 59.45,273.73 59.63,274.5 59.75,275.28 59.83,276.07 59.85,276.86 59.81,277.65 59.72,278.44 59.58,279.21 59.39,279.98 59.14,280.73 58.84,281.46 58.5,282.17 58.11,282.85 57.67,283.5 57.19,284.12 56.66,284.71 56.1,285.26 55.51,285.77 54.88,286.24 54.22,286.66 53.53,287.04 52.82,287.36 52.09,287.64 51.35,287.87 50.59,288.05 49.82,288.17 49.04,288.25 48.26,288.26 47.45,288.23 46.64,288.13 45.84,287.98 45.06,287.77 44.29,287.51 43.54,287.19 42.82,286.82 42.13,286.4 41.47,285.93 40.85,285.42 40.26,284.86 39.72,284.26 39.22,283.63 38.76,282.96 38.36,282.27 38.01,281.54 37.71,280.8 37.46,280.03 37.27,279.25 37.13,278.46 37.06,277.66 37.04,276.86 37.07,276.06 37.17,275.27 37.32,274.48 37.52,273.71 37.78,272.95 38.1,272.22 38.46,271.51 38.87,270.83 39.33,270.18 39.84,269.56 40.39,268.99 40.98,268.45 41.6,267.96 42.25,267.52 42.94,267.12 43.65,266.77 44.39,266.48 45.14,266.23 45.91,266.05 46.69,265.91 47.47,265.84 48.26,265.82 49.05,265.85 49.83,265.95 50.6,266.1 51.36,266.3 52.1,266.55 52.83,266.86 53.52,267.22 54.19,267.63 54.83,268.08 55.44,268.58 56,269.12 56.53,269.69 57.01,270.31 57.45,270.95 57.84,271.63 58.18,272.33 58.47,273.05 58.71,273.79 58.9,274.55 59.03,275.31 59.1,276.08 59.12,276.86 59.08,277.63 58.99,278.4 58.85,279.16 58.65,279.91 58.4,280.64 58.09,281.35 57.74,282.04 57.34,282.7 56.89,283.32 56.4,283.92 55.87,284.47 55.31,284.99 54.7,285.47 54.07,285.9 53.41,286.28 52.72,286.62 52.01,286.9 51.28,287.14 50.54,287.32 49.78,287.45 49.02,287.52 48.26,287.54 47.46,287.5 46.67,287.4 45.89,287.24 45.12,287.03 44.37,286.76 43.65,286.43 42.95,286.05 42.28,285.63 41.65,285.15 41.06,284.62 40.5,284.06 39.99,283.45 39.53,282.81 39.12,282.14 38.76,281.44 38.45,280.71 38.2,279.96 38,279.2 37.86,278.43 37.78,277.65 37.76,276.86 37.8,276.08 37.9,275.3 38.05,274.53 38.26,273.78 38.53,273.04 38.85,272.33 39.22,271.64 39.64,270.99 40.11,270.36 40.63,269.78 41.19,269.24 41.78,268.73 42.41,268.28 43.07,267.87 43.76,267.52 44.48,267.22 45.21,266.97 45.96,266.78 46.72,266.64 47.49,266.57 48.26,266.55 49.03,266.58 49.79,266.68 50.55,266.83 51.29,267.04 52.01,267.3 52.71,267.61 53.39,267.98 54.03,268.39 54.64,268.86 55.22,269.36 55.75,269.91 56.24,270.49 56.69,271.11 57.09,271.76 57.44,272.44 57.73,273.14 57.98,273.86 58.16,274.6 58.3,275.35 58.37,276.1 58.39,276.86 58.36,277.62 58.26,278.37 58.11,279.11 57.91,279.84 57.65,280.55 57.34,281.23 56.98,281.9 56.57,282.53 56.12,283.13 55.62,283.69 55.09,284.22 54.51,284.7 53.9,285.14 53.27,285.53 52.6,285.87 51.91,286.16 51.2,286.4 50.48,286.59 49.75,286.72 49,286.79 48.26,286.81 47.48,286.77 46.71,286.67 45.94,286.51 45.2,286.29 44.47,286.01 43.77,285.68 43.09,285.29 42.45,284.85 41.85,284.36 41.29,283.83 40.77,283.26 40.3,282.64 39.88,282 39.51,281.32 39.19,280.62 38.93,279.89 38.73,279.15 38.59,278.39 38.51,277.63 38.49,276.86 38.53,276.09 38.63,275.33 38.79,274.59 39,273.85 39.28,273.14 39.6,272.45 39.98,271.79 40.42,271.16 40.89,270.57 41.42,270.02 41.98,269.51 42.58,269.04 43.22,268.63 43.88,268.27 44.57,267.96 45.29,267.71 46.02,267.51 46.76,267.37 47.51,267.29 48.26,267.27 49.01,267.31 49.76,267.41 50.49,267.56 51.21,267.78 51.91,268.04 52.59,268.37 53.24,268.74 53.85,269.16 54.43,269.63 54.98,270.14 55.47,270.7 55.93,271.29 56.33,271.91 56.69,272.57 56.99,273.24 57.24,273.94 57.43,274.66 57.57,275.39 57.65,276.12 57.67,276.86 57.63,277.6 57.53,278.33 57.38,279.05 57.17,279.76 56.91,280.44 56.59,281.11 56.23,281.74 55.81,282.35 55.35,282.92 54.85,283.45 54.3,283.94 53.72,284.38 53.11,284.78 52.47,285.13 51.81,285.42 51.12,285.67 50.42,285.86 49.71,285.99 48.98,286.06 48.26,286.08 47.5,286.04 46.74,285.94 46,285.77 45.28,285.55 44.57,285.26 43.9,284.92 43.25,284.53 42.64,284.08 42.07,283.58 41.54,283.04 41.06,282.46 40.63,281.84 40.26,281.19 39.94,280.51 39.67,279.81 39.47,279.09 39.32,278.35 39.24,277.61 39.22,276.86 39.26,276.11 39.36,275.37 39.52,274.65 39.74,273.94 40.02,273.25 40.36,272.58 40.75,271.95 41.18,271.35 41.67,270.79 42.2,270.28 42.77,269.81 43.38,269.39 44.02,269.02 44.68,268.7 45.37,268.44 46.08,268.24 46.8,268.1 47.53,268.02 48.26,268 48.99,268.04 49.72,268.14 50.43,268.3 51.12,268.52 51.8,268.79 52.45,269.12 53.07,269.5 53.66,269.93 54.2,270.4 54.71,270.92 55.17,271.48 55.58,272.08 55.94,272.7 56.25,273.35 56.5,274.03 56.7,274.72 56.84,275.43 56.92,276.14 56.94,276.86 56.9,277.58 56.8,278.29 56.65,278.98 56.43,279.67 56.16,280.33 55.84,280.96 55.47,281.57 55.05,282.14 54.58,282.68 54.07,283.17 53.53,283.63 52.94,284.03 52.33,284.38 51.69,284.69 51.03,284.93 50.35,285.12 49.66,285.26 48.96,285.34 48.26,285.36 47.52,285.31 46.79,285.21 46.07,285.04 45.37,284.81 44.69,284.52 44.04,284.17 43.43,283.76 42.85,283.31 42.32,282.8 41.83,282.26 41.39,281.67 41.01,281.05 40.68,280.4 40.41,279.72 40.2,279.02 40.05,278.31 39.97,277.59 39.94,276.86 39.99,276.14 40.09,275.42 40.26,274.72 40.48,274.03 40.77,273.37 41.11,272.73 41.51,272.13 41.95,271.57 42.44,271.04 42.98,270.57 43.55,270.14 44.16,269.76 44.8,269.44 45.46,269.18 46.15,268.97 46.84,268.83 47.55,268.75 48.26,268.73 48.97,268.77 49.67,268.87 50.36,269.03 51.03,269.25 51.68,269.53 52.3,269.87 52.88,270.26 53.44,270.69 53.95,271.17 54.41,271.7 54.83,272.26 55.2,272.85 55.51,273.48 55.77,274.13 55.97,274.79 56.11,275.48 56.19,276.17 56.21,276.86 56.17,277.55 56.07,278.24 55.91,278.91 55.69,279.57 55.42,280.2 55.09,280.81 54.72,281.38 54.29,281.92 53.82,282.42 53.31,282.87 52.76,283.28 52.18,283.64 51.57,283.95 50.93,284.2 50.28,284.39 49.61,284.53 48.94,284.61 48.26,284.63 47.54,284.59 46.84,284.48 46.14,284.3 45.47,284.07 44.82,283.77 44.2,283.41 43.62,283 43.08,282.54 42.59,282.03 42.14,281.48 41.75,280.89 41.42,280.27 41.14,279.62 40.93,278.95 40.78,278.26 40.69,277.56 40.67,276.86 40.71,276.16 40.82,275.47 40.99,274.79 41.22,274.13 41.52,273.5 41.86,272.9 42.26,272.33 42.72,271.81 43.21,271.32 43.75,270.89 44.33,270.51 44.93,270.18 45.57,269.91 46.22,269.71 46.9,269.56 47.58,269.47 48.26,269.45 48.94,269.5 49.62,269.6 50.28,269.77 50.92,269.99 51.54,270.28 52.13,270.62 52.68,271.01 53.19,271.45 53.66,271.94 54.09,272.46 54.46,273.02 54.78,273.62 55.04,274.23 55.24,274.87 55.38,275.53 55.46,276.19 55.48,276.86 55.44,277.53 55.34,278.18 55.18,278.83 54.96,279.45 54.68,280.06 54.35,280.63 53.97,281.17 53.54,281.67 53.06,282.13 52.55,282.54 52,282.9 51.42,283.21 50.82,283.47 50.2,283.66 49.56,283.8 48.91,283.88 48.26,283.9 47.57,283.86 46.89,283.75 46.23,283.57 45.58,283.32 44.97,283.02 44.38,282.66 43.84,282.24 43.34,281.78 42.89,281.26 42.5,280.71 42.16,280.12 41.88,279.5 41.66,278.86 41.51,278.2 41.42,277.53 41.4,276.86 41.44,276.19 41.55,275.53 41.73,274.88 41.96,274.25 42.26,273.65 42.61,273.09 43.02,272.56 43.47,272.07 43.97,271.64 44.51,271.25 45.08,270.92 45.69,270.65 46.31,270.44 46.95,270.29 47.6,270.2 48.26,270.18 48.91,270.22 49.56,270.33 50.19,270.5 50.8,270.73 51.38,271.02 51.93,271.36 52.45,271.76 52.92,272.2 53.34,272.69 53.72,273.21 54.04,273.77 54.31,274.36 54.51,274.96 54.66,275.59 54.74,276.22 54.76,276.86 54.72,277.5 54.61,278.12 54.45,278.74 54.22,279.33 53.94,279.9 53.61,280.43 53.22,280.93 52.79,281.39 52.32,281.8 51.81,282.17 51.26,282.48 50.69,282.74 50.1,282.94 49.5,283.08 48.88,283.16 48.26,283.18 47.6,283.13 46.95,283.01 46.32,282.83 45.71,282.59 45.13,282.28 44.59,281.91 44.09,281.49 43.64,281.02 43.24,280.51 42.9,279.96 42.61,279.37 42.39,278.77 42.24,278.14 42.15,277.5 42.13,276.86 42.17,276.22 42.28,275.59 42.46,274.98 42.7,274.38 43,273.82 43.36,273.3 43.76,272.81 44.22,272.37 44.72,271.99 45.25,271.65 45.82,271.38 46.41,271.16 47.02,271.01 47.64,270.93 48.26,270.91 48.88,270.95 49.49,271.06 50.09,271.23 50.66,271.47 51.21,271.76 51.72,272.1 52.19,272.5 52.61,272.94 52.99,273.43 53.31,273.94 53.58,274.49 53.78,275.07 53.93,275.66 54.01,276.26 54.03,276.86 53.99,277.46 53.88,278.05 53.71,278.63 53.49,279.19 53.21,279.72 52.87,280.21 52.49,280.66 52.06,281.08 51.59,281.44 51.08,281.75 50.55,282.01 50,282.21 49.43,282.35 48.85,282.43 48.26,282.45 47.64,282.4 47.02,282.28 46.43,282.1 45.86,281.85 45.32,281.54 44.82,281.17 44.37,280.75 43.97,280.28 43.63,279.77 43.34,279.23 43.12,278.66 42.96,278.07 42.87,277.47 42.85,276.86 42.9,276.26 43.01,275.66 43.19,275.09 43.44,274.54 43.74,274.02 44.09,273.54 44.5,273.1 44.95,272.71 45.45,272.38 45.97,272.11 46.52,271.89 47.09,271.74 47.67,271.65 48.26,271.63 48.84,271.68 49.42,271.79 49.97,271.96 50.5,272.2 51.01,272.49 51.47,272.84 51.89,273.23 52.26,273.67 52.59,274.14 52.85,274.65 53.06,275.18 53.2,275.73 53.28,276.29 53.3,276.86 53.26,277.42 53.15,277.98 52.98,278.51 52.76,279.03 52.48,279.51 52.14,279.96 51.76,280.36 51.34,280.72 50.88,281.03 50.39,281.29 49.88,281.49 49.35,281.63 48.81,281.7 48.26,281.72 47.68,281.67 47.1,281.55 46.55,281.37 46.03,281.12 45.54,280.8 45.09,280.44 44.69,280.02 44.35,279.56 44.07,279.06 43.84,278.53 43.69,277.99 43.6,277.43 43.58,276.86 43.63,276.3 43.74,275.75 43.92,275.22 44.17,274.71 44.47,274.24 44.82,273.81 45.22,273.43 45.66,273.1 46.14,272.83 46.65,272.61 47.18,272.47 47.72,272.38 48.26,272.36 48.8,272.41 49.33,272.52 49.84,272.69 50.32,272.93 50.78,273.22 51.19,273.56 51.55,273.94 51.87,274.37 52.13,274.83 52.34,275.31 52.48,275.82 52.56,276.34 52.58,276.86 52.53,277.38 52.42,277.89 52.26,278.38 52.03,278.84 51.76,279.27 51.43,279.67 51.06,280.02 50.65,280.32 50.21,280.57 49.74,280.77 49.26,280.9 48.76,280.98 48.26,281 47.72,280.94 47.2,280.82 46.69,280.64 46.22,280.39 45.79,280.08 45.4,279.72 45.06,279.31 44.78,278.87 44.57,278.39 44.41,277.89 44.33,277.38 44.31,276.86 44.36,276.35 44.47,275.84 44.65,275.36 44.89,274.91 45.18,274.5 45.53,274.13 45.92,273.81 46.34,273.54 46.8,273.33 47.28,273.19 47.77,273.11 48.26,273.09 48.75,273.14 49.23,273.25 49.69,273.42 50.12,273.65 50.51,273.93 50.86,274.26 51.17,274.63 51.42,275.03 51.62,275.47 51.76,275.92 51.83,276.39 51.85,276.86 